# Allegro board Microroc_Hardroc2b_Test_Board.brd (continued)
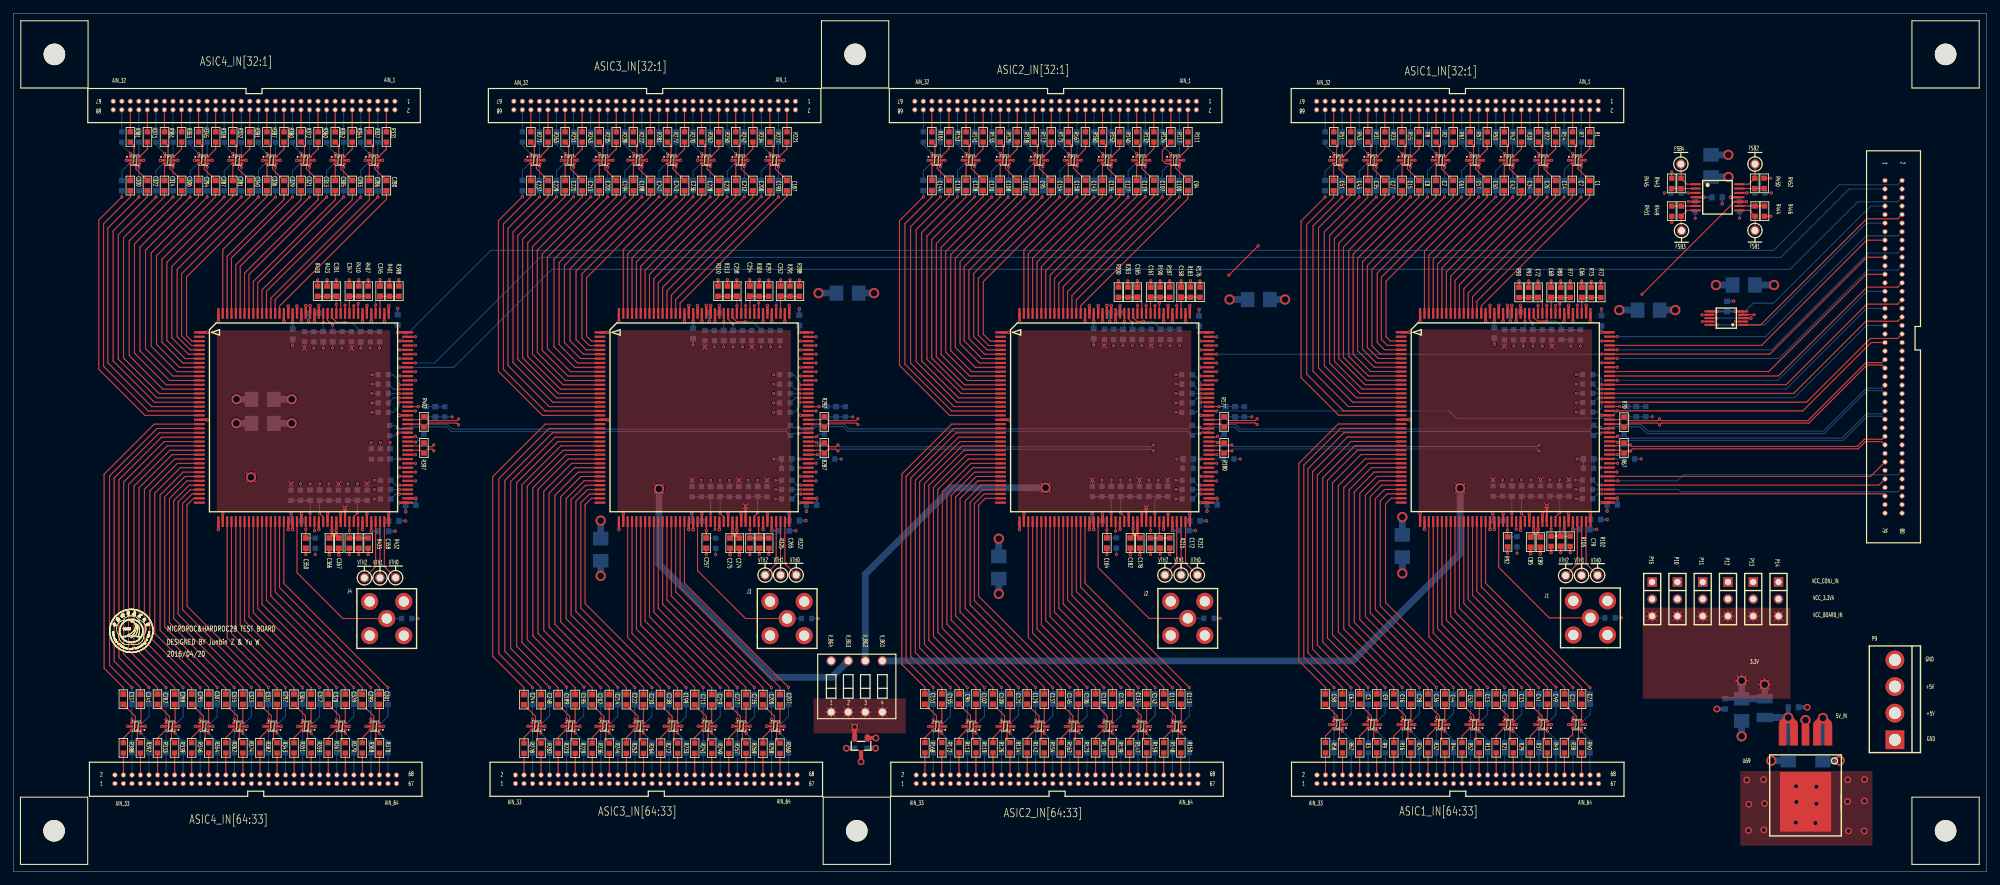
[diagram p0: board, top side]
## Nets (continued)
ESD_P12_ASIC3: C232.1 R266.2 U37.1(IO1)
ESD_P12_ASIC4: C325.1 R376.2 U54.1(IO1)
ESD_P13_ASIC1: C50.1 R50.2 U4.6(IO4)
ESD_P13_ASIC2: C143.1 R160.2 U21.6(IO4)
ESD_P13_ASIC3: C236.1 R270.2 U38.6(IO4)
ESD_P13_ASIC4: C329.1 R380.2 U55.6(IO4)
ESD_P14_ASIC1: C54.1 R54.2 U4.4(IO3)
ESD_P14_ASIC2: C147.1 R164.2 U21.4(IO3)
ESD_P14_ASIC3: C240.1 R274.2 U38.4(IO3)
ESD_P14_ASIC4: C333.1 R384.2 U55.4(IO3)
ESD_P15_ASIC1: C57.1 R57.2 U4.3(IO2)
ESD_P15_ASIC2: C150.1 R167.2 U21.3(IO2)
ESD_P15_ASIC3: C243.1 R277.2 U38.3(IO2)
ESD_P15_ASIC4: C336.1 R387.2 U55.3(IO2)
ESD_P16_ASIC1: C59.1 R59.2 U4.1(IO1)
ESD_P16_ASIC2: C152.1 R169.2 U21.1(IO1)
ESD_P16_ASIC3: C245.1 R279.2 U38.1(IO1)
ESD_P16_ASIC4: C338.1 R389.2 U55.1(IO1)
ESD_P17_ASIC1: C61.1 R61.2 U6.6(IO4)
ESD_P17_ASIC2: C154.1 R171.2 U22.6(IO4)
ESD_P17_ASIC3: C247.1 R281.2 U39.6(IO4)
ESD_P17_ASIC4: C340.1 R391.2 U56.6(IO4)
ESD_P18_ASIC1: C63.1 R63.2 U6.4(IO3)
ESD_P18_ASIC2: C156.1 R173.2 U22.4(IO3)
ESD_P18_ASIC3: C249.1 R283.2 U39.4(IO3)
ESD_P18_ASIC4: C342.1 R393.2 U56.4(IO3)
ESD_P19_ASIC1: C2.1 R2.2 U6.3(IO2)
ESD_P19_ASIC2: C95.1 R112.2 U22.3(IO2)
ESD_P19_ASIC3: C188.1 R222.2 U39.3(IO2)
ESD_P19_ASIC4: C281.1 R332.2 U56.3(IO2)
ESD_P20_ASIC1: C5.1 R5.2 U6.1(IO1)
ESD_P20_ASIC2: C98.1 R115.2 U22.1(IO1)
ESD_P20_ASIC3: C191.1 R225.2 U39.1(IO1)
ESD_P20_ASIC4: C284.1 R335.2 U56.1(IO1)
ESD_P21_ASIC1: C8.1 R8.2 U5.6(IO4)
ESD_P21_ASIC2: C101.1 R118.2 U24.6(IO4)
ESD_P21_ASIC3: C194.1 R228.2 U40.6(IO4)
ESD_P21_ASIC4: C287.1 R338.2 U57.6(IO4)
ESD_P22_ASIC1: C11.1 R11.2 U5.4(IO3)
ESD_P22_ASIC2: C104.1 R121.2 U24.4(IO3)
ESD_P22_ASIC3: C197.1 R231.2 U40.4(IO3)
ESD_P22_ASIC4: C290.1 R341.2 U57.4(IO3)
ESD_P23_ASIC1: C15.1 R15.2 U5.3(IO2)
ESD_P23_ASIC2: C108.1 R125.2 U24.3(IO2)
ESD_P23_ASIC3: C201.1 R235.2 U40.3(IO2)
ESD_P23_ASIC4: C294.1 R345.2 U57.3(IO2)
ESD_P24_ASIC1: C19.1 R19.2 U5.1(IO1)
ESD_P24_ASIC2: C116.1 R129.2 U24.1(IO1)
ESD_P24_ASIC3: C209.1 R239.2 U40.1(IO1)
ESD_P24_ASIC4: C298.1 R349.2 U57.1(IO1)
ESD_P25_ASIC1: C27.1 R23.2 U7.6(IO4)
ESD_P25_ASIC2: C120.1 R133.2 U25.6(IO4)
ESD_P25_ASIC3: C213.1 R243.2 U41.6(IO4)
ESD_P25_ASIC4: C306.1 R353.2 U58.6(IO4)
ESD_P26_ASIC1: C31.1 R27.2 U7.4(IO3)
ESD_P26_ASIC2: C124.1 R137.2 U25.4(IO3)
ESD_P26_ASIC3: C217.1 R247.2 U41.4(IO3)
ESD_P26_ASIC4: C310.1 R357.2 U58.4(IO3)
ESD_P27_ASIC1: C35.1 R31.2 U7.3(IO2)
ESD_P27_ASIC2: C128.1 R141.2 U25.3(IO2)
ESD_P27_ASIC3: C221.1 R251.2 U41.3(IO2)
ESD_P27_ASIC4: C314.1 R361.2 U58.3(IO2)
ESD_P28_ASIC1: C39.1 R35.2 U7.1(IO1)
ESD_P28_ASIC2: C132.1 R145.2 U25.1(IO1)
ESD_P28_ASIC3: C225.1 R255.2 U41.1(IO1)
ESD_P28_ASIC4: C318.1 R365.2 U58.1(IO1)
ESD_P29_ASIC1: C43.1 R43.2 U8.6(IO4)
ESD_P29_ASIC2: C136.1 R153.2 U23.6(IO4)
ESD_P29_ASIC3: C229.1 R263.2 U42.6(IO4)
ESD_P29_ASIC4: C322.1 R373.2 U59.6(IO4)
ESD_P30_ASIC1: C47.1 R47.2 U8.4(IO3)
ESD_P30_ASIC2: C140.1 R157.2 U23.4(IO3)
ESD_P30_ASIC3: C233.1 R267.2 U42.4(IO3)
ESD_P30_ASIC4: C326.1 R377.2 U59.4(IO3)
ESD_P31_ASIC1: C51.1 R51.2 U8.3(IO2)
ESD_P31_ASIC2: C144.1 R161.2 U23.3(IO2)
ESD_P31_ASIC3: C237.1 R271.2 U42.3(IO2)
ESD_P31_ASIC4: C330.1 R381.2 U59.3(IO2)
ESD_P32_ASIC1: C55.1 R55.2 U8.1(IO1)
ESD_P32_ASIC2: C148.1 R165.2 U23.1(IO1)
ESD_P32_ASIC3: C241.1 R275.2 U42.1(IO1)
ESD_P32_ASIC4: C334.1 R385.2 U59.1(IO1)
ESD_P33_ASIC1: C58.1 R58.2 U9.6(IO4)
ESD_P33_ASIC2: C151.1 R168.2 U26.6(IO4)
ESD_P33_ASIC3: C244.1 R278.2 U43.6(IO4)
ESD_P33_ASIC4: C337.1 R388.2 U60.6(IO4)
ESD_P34_ASIC1: C60.1 R60.2 U9.4(IO3)
ESD_P34_ASIC2: C153.1 R170.2 U26.4(IO3)
ESD_P34_ASIC3: C246.1 R280.2 U43.4(IO3)
ESD_P34_ASIC4: C339.1 R390.2 U60.4(IO3)
ESD_P35_ASIC1: C62.1 R62.2 U9.3(IO2)
ESD_P35_ASIC2: C155.1 R172.2 U26.3(IO2)
ESD_P35_ASIC3: C248.1 R282.2 U43.3(IO2)
ESD_P35_ASIC4: C341.1 R392.2 U60.3(IO2)
ESD_P36_ASIC1: C64.1 R64.2 U9.1(IO1)
ESD_P36_ASIC2: C157.1 R174.2 U26.1(IO1)
ESD_P36_ASIC3: C250.1 R284.2 U43.1(IO1)
ESD_P36_ASIC4: C343.1 R394.2 U60.1(IO1)
ESD_P37_ASIC1: C3.1 R3.2 U10.6(IO4)
ESD_P37_ASIC2: C96.1 R113.2 U27.6(IO4)
ESD_P37_ASIC3: C189.1 R223.2 U44.6(IO4)
ESD_P37_ASIC4: C282.1 R333.2 U61.6(IO4)
ESD_P38_ASIC1: C6.1 R6.2 U10.4(IO3)
ESD_P38_ASIC2: C99.1 R116.2 U27.4(IO3)
ESD_P38_ASIC3: C192.1 R226.2 U44.4(IO3)
ESD_P38_ASIC4: C285.1 R336.2 U61.4(IO3)
ESD_P39_ASIC1: C9.1 R9.2 U10.3(IO2)
ESD_P39_ASIC2: C102.1 R119.2 U27.3(IO2)
ESD_P39_ASIC3: C195.1 R229.2 U44.3(IO2)
ESD_P39_ASIC4: C288.1 R339.2 U61.3(IO2)
ESD_P40_ASIC1: C12.1 R12.2 U10.1(IO1)
ESD_P40_ASIC2: C105.1 R122.2 U27.1(IO1)
ESD_P40_ASIC3: C198.1 R232.2 U44.1(IO1)
ESD_P40_ASIC4: C291.1 R342.2 U61.1(IO1)
ESD_P41_ASIC1: C16.1 R16.2 U11.6(IO4)
ESD_P41_ASIC2: C109.1 R126.2 U28.6(IO4)
ESD_P41_ASIC3: C202.1 R236.2 U45.6(IO4)
ESD_P41_ASIC4: C295.1 R346.2 U62.6(IO4)
ESD_P42_ASIC1: C20.1 R20.2 U11.4(IO3)
ESD_P42_ASIC2: C117.1 R130.2 U28.4(IO3)
ESD_P42_ASIC3: C210.1 R240.2 U45.4(IO3)
ESD_P42_ASIC4: C303.1 R350.2 U62.4(IO3)
ESD_P43_ASIC1: C28.1 R24.2 U11.3(IO2)
ESD_P43_ASIC2: C121.1 R134.2 U28.3(IO2)
ESD_P43_ASIC3: C214.1 R244.2 U45.3(IO2)
ESD_P43_ASIC4: C307.1 R354.2 U62.3(IO2)
ESD_P44_ASIC1: C32.1 R28.2 U11.1(IO1)
ESD_P44_ASIC2: C125.1 R138.2 U28.1(IO1)
ESD_P44_ASIC3: C218.1 R248.2 U45.1(IO1)
ESD_P44_ASIC4: C311.1 R358.2 U62.1(IO1)
ESD_P45_ASIC1: C36.1 R32.2 U12.6(IO4)
ESD_P45_ASIC2: C129.1 R142.2 U29.6(IO4)
ESD_P45_ASIC3: C222.1 R252.2 U46.6(IO4)
ESD_P45_ASIC4: C315.1 R362.2 U63.6(IO4)
ESD_P46_ASIC1: C40.1 R36.2 U12.4(IO3)
ESD_P46_ASIC2: C133.1 R146.2 U29.4(IO3)
ESD_P46_ASIC3: C226.1 R256.2 U46.4(IO3)
ESD_P46_ASIC4: C319.1 R366.2 U63.4(IO3)
ESD_P47_ASIC1: C44.1 R44.2 U12.3(IO2)
ESD_P47_ASIC2: C137.1 R154.2 U29.3(IO2)
ESD_P47_ASIC3: C230.1 R264.2 U46.3(IO2)
ESD_P47_ASIC4: C323.1 R374.2 U63.3(IO2)
ESD_P48_ASIC1: C48.1 R48.2 U12.1(IO1)
ESD_P48_ASIC2: C141.1 R158.2 U29.1(IO1)
ESD_P48_ASIC3: C234.1 R268.2 U46.1(IO1)
ESD_P48_ASIC4: C327.1 R378.2 U63.1(IO1)
ESD_P49_ASIC1: C52.1 R52.2 U13.6(IO4)
ESD_P49_ASIC2: C145.1 R162.2 U30.6(IO4)
ESD_P49_ASIC3: C238.1 R272.2 U47.6(IO4)
ESD_P49_ASIC4: C331.1 R382.2 U64.6(IO4)
ESD_P50_ASIC1: C56.1 R56.2 U13.4(IO3)
ESD_P50_ASIC2: C149.1 R166.2 U30.4(IO3)
ESD_P50_ASIC3: C242.1 R276.2 U47.4(IO3)
ESD_P50_ASIC4: C335.1 R386.2 U64.4(IO3)
ESD_P51_ASIC1: C13.1 R13.2 U13.3(IO2)
ESD_P51_ASIC2: C106.1 R123.2 U30.3(IO2)
ESD_P51_ASIC3: C199.1 R233.2 U47.3(IO2)
ESD_P51_ASIC4: C292.1 R343.2 U64.3(IO2)
ESD_P52_ASIC1: C17.1 R17.2 U13.1(IO1)
ESD_P52_ASIC2: C110.1 R127.2 U30.1(IO1)
ESD_P52_ASIC3: C203.1 R237.2 U47.1(IO1)
ESD_P52_ASIC4: C296.1 R347.2 U64.1(IO1)
ESD_P53_ASIC1: C25.1 R21.2 U14.6(IO4)
ESD_P53_ASIC2: C118.1 R131.2 U31.6(IO4)
ESD_P53_ASIC3: C211.1 R241.2 U48.6(IO4)
ESD_P53_ASIC4: C304.1 R351.2 U65.6(IO4)
ESD_P54_ASIC1: C29.1 R25.2 U14.4(IO3)
ESD_P54_ASIC2: C122.1 R135.2 U31.4(IO3)
ESD_P54_ASIC3: C215.1 R245.2 U48.4(IO3)
ESD_P54_ASIC4: C308.1 R355.2 U65.4(IO3)
ESD_P55_ASIC1: C33.1 R29.2 U14.3(IO2)
ESD_P55_ASIC2: C126.1 R139.2 U31.3(IO2)
ESD_P55_ASIC3: C219.1 R249.2 U48.3(IO2)
ESD_P55_ASIC4: C312.1 R359.2 U65.3(IO2)
ESD_P56_ASIC1: C37.1 R33.2 U14.1(IO1)
ESD_P56_ASIC2: C130.1 R143.2 U31.1(IO1)
ESD_P56_ASIC3: C223.1 R253.2 U48.1(IO1)
ESD_P56_ASIC4: C316.1 R363.2 U65.1(IO1)
ESD_P57_ASIC1: C41.1 R37.2 U15.6(IO4)
ESD_P57_ASIC2: C134.1 R147.2 U32.6(IO4)
ESD_P57_ASIC3: C227.1 R257.2 U49.6(IO4)
ESD_P57_ASIC4: C320.1 R367.2 U66.6(IO4)
ESD_P58_ASIC1: C45.1 R45.2 U15.4(IO3)
ESD_P58_ASIC2: C138.1 R155.2 U32.4(IO3)
ESD_P58_ASIC3: C231.1 R265.2 U49.4(IO3)
ESD_P58_ASIC4: C324.1 R375.2 U66.4(IO3)
ESD_P59_ASIC1: C49.1 R49.2 U15.3(IO2)
ESD_P59_ASIC2: C142.1 R159.2 U32.3(IO2)
ESD_P59_ASIC3: C235.1 R269.2 U49.3(IO2)
ESD_P59_ASIC4: C328.1 R379.2 U66.3(IO2)
ESD_P60_ASIC1: C53.1 R53.2 U15.1(IO1)
ESD_P60_ASIC2: C146.1 R163.2 U32.1(IO1)
ESD_P60_ASIC3: C239.1 R273.2 U49.1(IO1)
ESD_P60_ASIC4: C332.1 R383.2 U66.1(IO1)
ESD_P61_ASIC1: C21.1 R38.2 U16.6(IO4)
ESD_P61_ASIC2: C111.1 R148.2 U33.6(IO4)
ESD_P61_ASIC3: C205.1 R258.2 U50.6(IO4)
ESD_P61_ASIC4: C299.1 R368.2 U67.6(IO4)
ESD_P62_ASIC1: C22.1 R39.2 U16.4(IO3)
ESD_P62_ASIC2: C112.1 R149.2 U33.4(IO3)
ESD_P62_ASIC3: C206.1 R259.2 U50.4(IO3)
ESD_P62_ASIC4: C300.1 R369.2 U67.4(IO3)
ESD_P63_ASIC1: C23.1 R40.2 U16.3(IO2)
ESD_P63_ASIC2: C113.1 R150.2 U33.3(IO2)
ESD_P63_ASIC3: C207.1 R260.2 U50.3(IO2)
ESD_P63_ASIC4: C301.1 R370.2 U67.3(IO2)
ESD_P64_ASIC1: C24.1 R41.2 U16.1(IO1)
ESD_P64_ASIC2: C114.1 R151.2 U33.1(IO1)
ESD_P64_ASIC3: C208.1 R261.2 U50.1(IO1)
ESD_P64_ASIC4: C302.1 R371.2 U67.1(IO1)
HOLD: U17.119(SR_LOAD) U34.119(SR_LOAD) U51.119(SR_LOAD) U68.119(SR_LOAD) U71.14
HOLDB: U17.63(HOLDB) U34.63(HOLDB) U51.63(HOLDB) U68.63(HOLDB) U71.78
IB_OTAG_ASIC1: C68.2 R77.2 R80.1 U17.130(IB_OTAQ)
IB_OTAG_ASIC2: C161.2 R187.2 R190.1 U34.130(IB_OTAQ)
IB_OTAG_ASIC3: C254.2 R297.2 R300.1 U51.130(IB_OTAQ)
IB_OTAG_ASIC4: C347.2 R407.2 R410.1 U68.130(IB_OTAQ)
IB_REC_ASIC1: C65.2 R65.2 R66.1 U17.91(IB_REC)
IB_REC_ASIC2: C159.2 R175.2 R179.1 U34.91(IB_REC)
IB_REC_ASIC3: C251.2 R285.2 R286.1 U51.91(IB_REC)
IB_REC_ASIC4: C344.2 R395.2 R396.1 U68.91(IB_REC)
IB_W_ASIC1: C77.2 R96.2 R100.1 U17.133(IB_W)
IB_W_ASIC2: C169.2 R206.2 R210.1 U34.133(IB_W)
IB_W_ASIC3: C262.2 R316.2 R320.1 U51.133(IB_W)
IB_W_ASIC4: C354.2 R426.2 R429.1 U68.133(IB_W)
IBI_D_ASIC1: C67.2 R71.2 R75.1 U17.124(IBI_D)
IBI_D_ASIC2: C160.2 R178.2 R185.1 U34.124(IBI_D)
IBI_D_ASIC3: C253.2 R294.2 R295.1 U51.124(IBI_D)
IBI_D_ASIC4: C346.2 R404.2 R405.1 U68.124(IBI_D)
IBI_FSB_ASIC1: C72.2 R90.2 R93.1 U17.132(IBI_FSB)
IBI_FSB_ASIC2: C165.2 R200.2 R203.1 U34.132(IBI_FSB)
IBI_FSB_ASIC3: C258.2 R310.2 R313.1 U51.132(IBI_FSB)
IBI_FSB_ASIC4: C351.2 R420.2 R423.1 U68.132(IBI_FSB)
IBI_OTABG_ASIC1: C79.2 R102.2 R105.1 U17.73(IBI_OTABG)
IBI_OTABG_ASIC2: C172.2 R212.2 R215.1 U34.73(IBI_OTABG)
IBI_OTABG_ASIC3: C265.2 R322.2 R325.1 U51.73(IBI_OTABG)
IBI_OTABG_ASIC4: C358.2 R432.2 R435.1 U68.73(IBI_OTABG)
IBI_OTADAC_ASIC1: C76.2 R95.2 R99.1 U17.71(IBI_OTADAC)
IBI_OTADAC_ASIC2: C168.2 R205.2 R208.1 U34.71(IBI_OTADAC)
IBI_OTADAC_ASIC3: C263.2 R315.2 R319.1 U51.71(IBI_OTADAC)
IBI_OTADAC_ASIC4: C356.2 R425.2 R428.1 U68.71(IBI_OTADAC)
IBI_PA_ASIC1: C80.2 R103.2 R106.1 U17.134(IBI_PA)
IBI_PA_ASIC2: C173.2 R213.2 R216.1 U34.134(IBI_PA)
IBI_PA_ASIC3: C266.2 R323.2 R326.1 U51.134(IBI_PA)
IBI_PA_ASIC4: C359.2 R433.2 R436.1 U68.134(IBI_PA)
IBO_D_ASIC1: C66.2 R72.2 R73.1 U17.123(IBO_D)
IBO_D_ASIC2: C158.2 R176.2 R183.1 U34.123(IBO_D)
IBO_D_ASIC3: C252.2 R288.2 R291.1 U51.123(IBO_D)
IBO_D_ASIC4: C345.2 R398.2 R401.1 U68.123(IBO_D)
IBO_FSB_ASIC1: C69.2 R82.2 R85.1 U17.131(IBO_FSB)
IBO_FSB_ASIC2: C162.2 R192.2 R195.1 U34.131(IBO_FSB)
IBO_FSB_ASIC3: C255.2 R302.2 R305.1 U51.131(IBO_FSB)
IBO_FSB_ASIC4: C348.2 R412.2 R415.1 U68.131(IBO_FSB)
IREF_DAC_ASIC1: C93.2 R109.2 R110.1 U17.72(IREF_DAC)
IREF_DAC_ASIC2: C186.2 R219.2 R220.1 U34.72(IREF_DAC)
IREF_DAC_ASIC3: C279.2 R329.2 R330.1 U51.72(IREF_DAC)
IREF_DAC_ASIC4: C372.2 R439.2 R440.1 U68.72(IREF_DAC)
N117243_ASIC1: C73.1 C74.1 R98.2 U17.103(RTN)
N117243_ASIC2: C166.1 C170.1 R209.2 U34.103(RTN)
N117243_ASIC3: C259.1 C260.1 R318.2 U51.103(RTN)
N117243_ASIC4: C352.1 C355.1 R430.2 U68.103(RTN)
N119966_ASIC1: J1.1 R74.2 U17.59(CTEST)
N119966_ASIC2: J2.1 R184.2 U34.59(CTEST)
N119966_ASIC3: J3.1 R293.2 U51.59(CTEST)
N119966_ASIC4: J4.1 R403.2 U68.59(CTEST)
OUT_FSB1: R442.2 U17.128(OUT_FSB) U73.10(+IN)
OUT_FSB2: R448.2 U34.128(OUT_FSB) U73.12(+IN)
OUT_FSB3: R447.2 U51.128(OUT_FSB) U73.5(+IN)
OUT_FSB4: R441.2 U68.128(OUT_FSB) U73.3(+IN)
OUT_Q: U71.7 U72.8(D)
OUT_Q1: U17.129(OUT_Q) U72.2(S1)
OUT_Q2: U34.129(OUT_Q) U72.9(S2)
OUT_Q3: U51.129(OUT_Q) U72.4(S3)
OUT_Q4: U68.129(OUT_Q) U72.7(S4)
OUT_TRIG0B: R79.2 R189.2 R299.2 R409.2 U17.85(OUT_TRIG0B) U34.85(OUT_TRIG0B) U51.85(OUT_TRIG0B) U68.85(OUT_TRIG0B) U71.71
OUT_TRIG1B: R78.1 R188.1 R298.1 R408.1 U17.84(OUT_TRIG1B) U34.84(OUT_TRIG1B) U51.84(OUT_TRIG1B) U68.84(OUT_TRIG1B) U71.74
OUT_TRIG2B: R76.2 R186.2 R296.2 R406.2 U17.83(OUT_TRIG2B) U34.83(OUT_TRIG2B) U51.83(OUT_TRIG2B) U68.83(OUT_TRIG2B) U71.75
PWR_ON_A: U17.89(PWR_ON_A) U34.89(PWR_ON_A) U51.89(PWR_ON_A) U68.89(PWR_ON_A) U71.60
PWR_ON_ADC: U17.88(PWR_ON_ADC) U34.88(PWR_ON_ADC) U51.88(PWR_ON_ADC) U68.88(PWR_ON_ADC) U71.66
PWR_ON_D: U17.90(PWR_ON_D) U34.90(PWR_ON_D) U51.90(PWR_ON_D) U68.90(PWR_ON_D) U71.54
PWR_ON_DAC: U17.87(PWR_ON_DAC) U34.87(PWR_ON_DAC) U51.87(PWR_ON_DAC) U68.87(PWR_ON_DAC) U71.67
RAZ_CHNN: R68.2 R181.2 R289.2 R399.2 U17.96(RAZ_CHNN) U34.96(RAZ_CHNN) U51.96(RAZ_CHNN) U68.96(RAZ_CHNN) U71.55
RAZ_CHNP: R68.1 R181.1 R289.1 R399.1 U17.95(RAZ_CHNP) U34.95(RAZ_CHNP) U51.95(RAZ_CHNP) U68.95(RAZ_CHNP) U71.57
REF_2.5V: C379.1 SW1.1(A1) SW1.2(A2) SW1.3(A3) SW1.4(A4) U70.2(OUT)
RESET_B: U17.102(RESETB) U34.102(RESETB) U51.102(RESETB) U68.102(RESETB) U71.39
RST_COUNTERB: U17.109(RST_COUNTERB) U34.109(RST_COUNTERB) U51.109(RST_COUNTERB) U68.109(RST_COUNTERB) U71.27
SELECT: U17.114(SELECT) U34.114(SELECT) U51.114(SELECT) U68.114(SELECT) U71.22
SR_CK: U17.116(SR_CK) U34.116(SR_CK) U51.116(SR_CK) U68.116(SR_CK) U71.18
SR_IN: U17.117(SR_IN) U71.15
SR_OUT: U68.118(SR_OUT) U71.2
SR_RSTB: U17.115(SR_RSTB) U34.115(SR_RSTB) U51.115(SR_RSTB) U68.115(SR_RSTB) U71.19
START_ACQ: U17.92(START_ACQ) U34.92(START_ACQ) U51.92(START_ACQ) U68.92(START_ACQ) U71.48
START_READOUT1: U17.110(START_READOUT1) U71.26
START_READOUT2: U17.111(START_READOUT2) U71.23
TRANSMITON1B: R83.2 R193.2 R303.2 R413.2 U17.106(TRANSMITON1B) U34.106(TRANSMITON1B) U51.106(TRANSMITON1B) U68.106(TRANSMITON1B) U71.34
TRANSMITON2B: R84.2 R194.2 R304.2 R414.2 U17.107(TRANSMITON2B) U34.107(TRANSMITON2B) U51.107(TRANSMITON2B) U68.107(TRANSMITON2B) U71.31
TRIG_EXT: U17.86(TRIG_EXT) U34.86(TRIG_EXT) U51.86(TRIG_EXT) U68.86(TRIG_EXT) U71.70
V_BG1: R88.1 R94.1 R101.1 R107.1 R109.1 SW1.5(B4) U17.70(V_BG)
V_BG2: R198.1 R204.1 R211.1 R217.1 R219.1 SW1.6(B3) U34.70(V_BG)
V_BG3: R308.1 R314.1 R321.1 R327.1 R329.1 SW1.7(B2) U51.70(V_BG)
V_BG4: R418.1 R424.1 R431.1 R437.1 R439.1 SW1.8(B1) U68.70(V_BG)
VAL_EVTN: R67.2 R180.2 R287.2 R397.2 U17.94(VAL_EVTN) U34.94(VAL_EVTN) U51.94(VAL_EVTN) U68.94(VAL_EVTN) U71.61
VAL_EVTP: R67.1 R180.1 R287.1 R397.1 U17.93(VAL_EVTP) U34.93(VAL_EVTP) U51.93(VAL_EVTP) U68.93(VAL_EVTP) U71.63
VCASC_NMOS_ASIC1: C81.2 R107.2 R108.1 U17.65(VCASC_NMOS)
VCASC_NMOS_ASIC2: C183.2 R217.2 R218.1 U34.65(VCASC_NMOS)
VCASC_NMOS_ASIC3: C276.2 R327.2 R328.1 U51.65(VCASC_NMOS)
VCASC_NMOS_ASIC4: C369.2 R437.2 R438.1 U68.65(VCASC_NMOS)
VCASC_PMOS_ASIC1: C78.2 R101.2 R104.1 U17.62(VCASC_PMOS)
VCASC_PMOS_ASIC2: C171.2 R211.2 R214.1 U34.62(VCASC_PMOS)
VCASC_PMOS_ASIC3: C264.2 R321.2 R324.1 U51.62(VCASC_PMOS)
VCASC_PMOS_ASIC4: C357.2 R431.2 R434.1 U68.62(VCASC_PMOS)
VGAIN_PA_ASIC1: C71.2 R89.2 R92.1 U17.61(VGAIN_PA)
VGAIN_PA_ASIC2: C164.2 R199.2 R202.1 U34.61(VGAIN_PA)
VGAIN_PA_ASIC3: C257.2 R309.2 R312.1 U51.61(VGAIN_PA)
VGAIN_PA_ASIC4: C350.2 R419.2 R422.1 U68.61(VGAIN_PA)
VREF_FSB_ASIC1: C75.2 R94.2 R97.1 U17.136(VREF_FSB)
VREF_FSB_ASIC2: C167.2 R204.2 R207.1 U34.136(VREF_FSB)
VREF_FSB_ASIC3: C261.2 R314.2 R317.1 U51.136(VREF_FSB)
VREF_FSB_ASIC4: C353.2 R424.2 R427.1 U68.136(VREF_FSB)
VREF_SS_ASIC1: C70.2 R88.2 R91.1 U17.135(VREF_SS)
VREF_SS_ASIC2: C163.2 R198.2 R201.1 U34.135(VREF_SS)
VREF_SS_ASIC3: C256.2 R308.2 R311.1 U51.135(VREF_SS)
VREF_SS_ASIC4: C349.2 R418.2 R421.1 U68.135(VREF_SS)
VTH0_ASIC1: TP1.1(TP) U17.79(VTH0)
VTH0_ASIC2: TP4.1(TP) U34.79(VTH0)
VTH0_ASIC3: TP7.1(TP) U51.79(VTH0)
VTH0_ASIC4: TP10.1(TP) U68.79(VTH0)
VTH1_ASIC1: TP2.1(TP) U17.78(VTH1)
VTH1_ASIC2: TP5.1(TP) U34.78(VTH1)
VTH1_ASIC3: TP8.1(TP) U51.78(VTH1)
VTH1_ASIC4: TP11.1(TP) U68.78(VTH1)
VTH2_ASIC1: TP3.1(TP) U17.77(VTH2)
VTH2_ASIC2: TP6.1(TP) U34.77(VTH2)
VTH2_ASIC3: TP9.1(TP) U51.77(VTH2)
VTH2_ASIC4: TP12.1(TP) U68.77(VTH2)
N03951: U17.112(END_READOUT1) U34.110(START_READOUT1)
N03955: U17.113(END_READOUT2) U34.111(START_READOUT2)
N03959: U17.118(SR_OUT) U34.117(SR_IN)
N03963: U34.112(END_READOUT1) U51.110(START_READOUT1)
N03967: U34.113(END_READOUT2) U51.111(START_READOUT2)
N03971: U34.118(SR_OUT) U51.117(SR_IN)
N03975: U51.112(END_READOUT1) U68.110(START_READOUT1)
N03979: U51.113(END_READOUT2) U68.111(START_READOUT2)
N03983: U51.118(SR_OUT) U68.117(SR_IN)
N167125: R443.1 R445.2 U73.2(-IN)
N167454: R443.2 TP13.1(TP) U73.1(OUT)
N167612: R449.1 R451.2 U73.6(-IN)
N167619: R449.2 TP15.1(TP) U73.7(OUT)
N167779: R444.1 R446.2 U73.9(-IN)
N167786: R444.2 TP14.1(TP) U73.8(OUT)
N167942: R450.1 R452.2 U73.13(-IN)
N167949: R450.2 TP16.1(TP) U73.14(OUT)
N175517: C374.1 C376.1 L1.1 U69.4(OUT) U69.5(SENSE/ADJ)

Pads without a net: U17 2 40; U34 2 40; U51 2 40; U68 2 40

## Via types
v1: diameter 0.457, hole 0.203, TOP to BOTTOM, 725 vias
v2: diameter 0.508, hole 0.254, TOP to BOTTOM, 244 vias
v3: diameter 1.524, hole 1.016, TOP to BOTTOM, 32 vias
v4: diameter 1.016, hole 0.61, TOP to BOTTOM, 25 vias

## Routing (per net, layer and track width the routed paths; a pad name or vN(x,y) marks a point on that pad's centre or on a via; arc(x,y) is an arc through that point)
5V_IN: length 8.9
  TOP w1.016: U69.1 270.08,22.04 v3(269.27,22.86) 268.38,21.98 U69.2
  BOTTOM w1.016: v3(269.27,22.86) C373.1
GND: length 390.4
  TOP w0.152: R451.1 v1(246.79,96.62) ; R203.2 v1(165.84,87.96) ; R452.1 v1(261.49,103.23) ; v1(228.83,47.47) 228.83,47.5 228.83,47.5 R105.2 ; C347.1 v1(49.99,88.11) ; U37.2 v2(101.82,105.9) ; R325.2 v1(109.6,47.19) ; C258.1 v1(107.65,88.11) ; R190.2 v1(170.65,87.95) ; R446.1 v1(261.52,97.56) ; C72.1 226.89,87.93 v1(226.88,87.93) ; v1(43.51,47.19) C350.1 ; v1(115.57,88.11) R291.2 ; R73.2 v1(234.8,87.88) ; C257.1 v1(103.1,47.22) ; C66.1 233.38,87 v1(233.38,87.91) ; C79.1 230.25,48.41 v1(230.25,47.47) ; C161.1 169.24,87.03 v1(169.24,87.96) ; R401.2 v1(55.96,88.11) ; C265.1 111,48.12 v1(111,47.22) ; C252.1 v1(114.16,88.1) ; v1(106.25,88.11) R313.2 ; R435.2 v1(49.99,47.19) ; C158.1 173.76,87.03 v1(173.76,87.96) ; v1(109.58,88.11) 109.58,87.19 C254.1 ; v1(162.72,47.2) C164.1 ; v1(51.38,47.19) C358.1 ; R423.2 v1(46.66,88.11) ; R300.2 v1(111,88.11) ; v1(51.38,88.11) R410.2 ; C68.1 v1(228.82,87.93) ; R80.2 v1(230.25,87.93) ; R445.1 v1(246.76,104.17) ; v1(54.56,88.11) C345.1 ; R183.2 v1(175.16,87.96) ; v1(48.06,88.11) C351.1 ; v1(169.21,47.22) R215.2 ; C172.1 v1(170.65,47.24) ; v1(167.26,87.96) 167.26,87.03 C165.1 ; R93.2 v1(225.48,87.93) ; v1(222.34,47.4) 222.35,47.41 R92.2
  TOP w0.305: U61.2 v2(24.66,21.61) ; U5.2 v1(206.04,105.9) ; U65.2 v2(44.91,21.61) ; U16.2 v1(233.96,21.89) ; U63.2 v2(34.75,21.61) ; U73.11 v2(255.51,100.39) ; U35.2 v2(112,105.9) ; U33.2 v1(174.37,21.61) ; U22.2 v1(151.31,105.9) ; U55.2 v2(37.08,105.89) ; U11.2 v1(208.56,21.89) ; U46.2 v2(94.44,21.63) ; U3.2 v1(221.26,105.9) ; U10.2 v1(203.48,21.89) ; U29.2 v1(154,21.61) ; U24.2 v1(146.25,105.9) ; U15.2 v1(228.88,21.89) ; U38.2 v2(96.69,105.9) ; U4.2 v1(216.2,105.89) ; U26.2 v1(138.73,21.61) ; U56.2 v2(32.03,105.89) ; U19.2 v1(166.55,105.9) ; U9.2 v1(198.37,21.89) ; U13.2 v1(218.69,21.89) ; U54.2 v2(42.16,105.89) ; U32.2 v1(169.21,21.61) ; U47.2 v2(99.44,21.63) ; U66.2 v2(49.99,21.61) ; U49.2 v2(109.63,21.63) ; U67.2 v2(55.07,21.61) ; U23.2 v1(136.09,105.9) ; U59.2 v2(16.79,105.89) ; U6.2 v1(211.12,105.9) ; U1.2 v1(231.39,105.9) ; U40.2 v2(86.45,105.9) ; U41.2 v2(81.55,105.9) ; U45.2 v2(89.28,21.63) ; U8.2 v1(195.86,105.9) ; U42.2 v2(76.24,105.9) ; U20.2 v1(161.47,105.9) ; U31.2 v1(164.13,21.61) ; U72.3 v2(258.55,82.4) ; U21.2 v1(156.39,105.9) ; U30.2 v1(159.05,21.61) ; U25.2 v1(141.17,105.9) ; U62.2 v2(29.67,21.61) ; U58.2 v2(21.87,105.89) ; U36.2 v2(106.95,105.9) ; U52.2 v2(52.35,105.89) ; U53.2 v2(47.27,105.89) ; U50.2 v2(114.68,21.63) ; U64.2 v2(39.83,21.61) ; U44.2 v2(84.3,21.63) ; U60.2 v2(19.58,21.61) ; U7.2 v1(200.94,105.9) ; U12.2 v1(213.61,21.89) ; U2.2 v1(226.36,105.9) ; U57.2 v2(26.95,105.89) ; U18.2 v1(171.6,105.9) ; U48.2 v2(104.52,21.63) ; U14.2 v1(223.69,21.89) ; U39.2 v2(91.42,105.9) ; U28.2 v1(148.89,21.61) ; U43.2 v2(79.08,21.63) ; U27.2 v1(143.81,21.61)
  TOP w0.33: U34.142 v2(161.42,84.28) ; U68.126 v2(52.6,84.27) ; U34.121 v2(175.07,84.28) ; U68.144 v2(40.9,84.2) ; U34.41 v2(149.72,50.92) ; U68.101 v2(57.49,67.92) ; U68.64 v2(45.45,50.92) ; U68.66 v2(46.75,53.28) ; U17.66 v2(225.58,53.3) ; U17.41 v2(209.33,53.3) ; U17.125 v2(232.08,81.93) ; U17.57 v2(219.73,50.93) ; U68.57 v2(40.9,50.92) ; U34.81 v2(176.68,54.92) ; U68.127 v2(51.95,81.92) ; U17.160 v2(209.33,81.93) ; C275.2 v2(106.64,47.16) ; U51.1 v2(88.46,80.27) ; C178.2 v2(167.61,47.19) ; U68.69 v2(48.7,53.28) ; U34.141 v2(162.07,81.92) ; U68.42 v2(31.15,53.28) ; U51.57 v2(100.5,50.92) ; U51.58 v2(101.15,50.92) ; U34.125 v2(172.47,81.92) ; U51.160 v2(90.1,81.92) ; U68.141 v2(42.85,82.1) ; U34.64 v2(164.67,50.92) ; U68.21 v2(28.85,67.27) ; U34.139 v2(163.37,84.28) ; U34.66 v1(165.97,53.25) ; U17.126 v2(231.43,84.3) ; U68.145 v2(40.25,81.95) ; U51.121 v2(115.45,84.28) ; U51.140 v2(103.1,84.28) ; U17.145 v2(219.08,81.93) ; U51.69 v2(108.3,53.28) ; U51.75 v2(112.2,53.28) ; U51.41 v2(90.1,50.92) ; U17.144 v2(219.73,84.3) ; U68.1 v2(28.85,80.27) ; U51.126 v2(112.2,84.28) ; U17.121 v2(234.68,81.93) ; C182.2 v2(166.22,47.19) ; U68.142 v2(42.2,84.19) ; U17.81 v2(236.19,54.94) ; U51.145 v2(99.85,81.92) ; U68.139 v2(44.15,84.25) ; U17.101 v2(236.32,67.94) ; U68.74 v2(51.95,50.92) ; U51.142 v2(101.8,84.28) ; U34.21 v2(148.07,67.27) ; U34.58 v2(160.77,50.92) ; U51.21 v2(88.43,67.27) ; U34.144 v2(160.12,84.28) ; U17.58 v2(220.38,50.93) ; U68.81 v2(57.4,54.92) ; U17.74 v2(230.78,50.93) ; U51.64 v2(105.05,50.9) ; U68.58 v2(41.55,50.92) ; U17.42 v2(209.98,50.93) ; U17.21 v2(207.68,67.29) ; U51.42 v2(90.75,53.28) ; U34.160 v2(149.72,81.92) ; U17.141 v2(221.68,81.93) ; U51.138 v2(104.4,81.92) ; U17.142 v2(221.03,84.3) ; U51.101 v2(117.1,67.92) ; C367.2 v2(48.41,47.17) ; U51.127 v2(111.55,81.92) ; v2(207.68,80.29) U17.1 ; U51.144 v2(100.5,84.28) ; U68.138 v2(44.8,81.98) ; U34.75 v1(171.82,53.25) ; U51.74 v2(111.55,50.92) ; U17.140 v2(222.33,84.3) ; U34.57 v2(160.12,50.92) ; C89.2 v2(227.23,47.32) ; U51.81 v2(117.02,54.92) ; U34.122 v2(174.42,81.92) ; U34.101 v2(176.71,67.92) ; U68.41 v2(30.5,50.92) ; U68.122 v2(55.2,81.92) ; U17.122 v2(234.03,84.3) ; U34.69 v1(167.92,53.25) ; U17.64 v2(224.28,50.83) ; U34.74 v1(171.17,50.94) ; U17.69 v2(227.53,53.3) ; U68.75 v2(52.6,53.28) ; U51.122 v2(114.8,81.92) ; C366.2 v2(47.02,47.17) ; U17.75 v2(231.43,53.3) ; U68.160 v2(30.5,81.92) ; U34.126 v2(171.82,84.28) ; U51.141 v2(102.45,81.92) ; U68.125 v2(53.25,81.92) ; U34.145 v2(159.47,81.92) ; U34.138 v2(164.02,81.92) ; U34.42 v2(150.37,53.28) ; U68.121 v2(55.85,84.27) ; U17.127 v2(230.78,81.93) ; U51.139 v2(103.75,84.28) ; U34.1 v2(148.07,80.27) ; U17.138 v2(223.63,81.93) ; C274.2 v2(108.03,47.14) ; U51.125 v2(112.85,81.92) ; U17.139 v2(222.98,84.3) ; C85.2 v2(225.78,47.32) ; U34.127 v2(171.17,81.92) ; U34.140 v2(162.72,84.28) ; U51.66 v2(106.35,53.28) ; U68.140 v2(43.5,84.26)
  TOP w0.61: U70.3 v4(126.13,16.35)
  TOP w1.016: U69.3 v3(266.68,22.55)
  BOTTOM w0.152: C264.1 v1(103.76,58.27) ; R208.2 170.65,48.15 v1(170.65,47.24) ; R313.2 v1(106.25,88.11) ; R214.2 v1(161.98,58.29) ; v1(65.28,67.69) R430.1 C352.2 C355.2 ; C70.1 v1(226.1,78.23) ; C369.1 v1(45.57,57.73) ; C358.1 v1(51.38,47.19) ; C71.1 v1(222.34,47.4) ; C349.1 v1(47.5,77.93) ; v1(105.18,58.27) 105.16,58.24 C276.1 ; C77.1 v1(226.88,87.93) ; R97.2 v1(223.27,78.23) ; R293.1 v1(119.76,37.67) ; C160.1 v1(173.76,87.96) ; R66.2 C65.1 v1(232.69,61.43) ; C80.1 R106.2 v1(231.78,78.23) ; C255.1 v1(109.58,88.11) ; R207.2 v1(163.73,78.28) ; R427.2 v1(44.7,77.93) ; v1(228.82,87.93) 228.83,87.93 C69.1 ; R324.2 v1(102.36,58.27) ; R179.2 C159.1 v1(173.1,61.42) ; R104.2 v1(221.59,58.34) ; C266.1 v1(111.28,78.11) ; v1(113.16,61.42) C251.1 R286.2 ; R311.2 v1(108.48,78.11) ; v1(111,88.11) R300.2 ; v1(175.16,87.96) R183.2 ; R93.2 v1(225.48,87.93) ; C169.1 v1(167.26,87.96) ; R436.2 v1(53.09,77.93) ; C75.1 v1(224.68,78.23) ; R330.2 v1(109.35,58.27) ; v1(234.8,87.88) R73.2 ; v1(107.65,88.11) C258.1 ; C256.1 v1(107.09,78.11) ; v1(114.16,88.1) 114.16,87.19 C253.1 ; v1(55.96,88.11) R401.2 ; C186.1 v1(168.96,58.29) ; C163.1 v1(166.52,78.28) ; R108.2 v1(225.83,58.34) ; C78.1 v1(222.99,58.34) ; R440.2 v1(49.76,57.73) ; R216.2 v1(172.11,78.28) ; v1(170.65,87.95) 170.65,87.03 R195.2 ; C357.1 v1(44.15,57.73) ; C67.1 v1(233.38,87.91) ; R421.2 v1(48.89,77.93) ; C171.1 v1(163.37,58.29) ; C372.1 v1(51.18,57.73) ; v1(49.99,47.19) R435.2 ; R442.1 v1(256.87,97.28) ; C167.1 v1(165.13,78.28) ; C260.2 C259.2 R318.1 v1(124.89,67.69) ; R326.2 v1(112.67,78.11) ; R317.2 v1(104.29,78.11) ; v1(109.6,47.19) R325.2 ; C76.1 v1(230.25,47.47) ; C173.1 v1(170.71,78.28) ; R91.2 v1(227.51,78.23) ; v1(184.28,67.69) R209.1 C170.2 C166.2 ; v1(230.25,87.93) 230.25,87.93 R85.2 ; v1(165.84,87.96) R203.2 ; R74.1 v1(239.27,37.77) ; C350.1 v1(43.51,47.19) ; C351.1 v1(48.06,88.11) ; R403.1 v1(60.22,37.67) ; C345.1 v1(54.56,88.11) ; v1(162.72,47.2) 162.72,48.15 R202.2 ; C344.1 v1(56.03,63.88) ; R447.1 v1(250.27,97.26) ; C353.1 v1(46.1,77.93) ; R434.2 v1(42.72,57.73) ; C81.1 v1(224.41,58.34) ; R319.2 v1(111,47.22) ; R201.2 v1(167.92,78.28) ; R215.2 v1(169.21,47.22) ; R291.2 v1(115.57,88.11) ; C359.1 v1(51.69,77.93) ; v1(46.66,88.11) R423.2 ; v1(103.1,47.22) C257.1 ; C183.1 v1(164.77,58.29) ; R441.1 v1(245.69,101.04) ; R110.2 v1(228.65,58.34) ; R396.2 v1(54.64,63.88) ; C93.1 v1(230.06,58.34) ; R410.2 v1(51.38,88.11) ; C73.2 C74.2 R98.1 v1(243.89,67.72) ; R218.2 v1(166.17,58.29) ; C279.1 v1(110.74,58.27) ; R438.2 v1(46.96,57.73) ; R99.2 v1(228.83,47.47) ; R184.1 v1(179.58,37.69) ; R448.1 v1(261.59,101.04) ; C261.1 v1(105.69,78.11) ; R220.2 v1(170.36,58.29) ; C162.1 v1(169.24,87.96) ; v1(49.99,88.11) C347.1 ; R328.2 v1(106.55,58.27)
  BOTTOM w0.305: C380.2 v2(255.98,84.91) ; C382.2 v2(254.28,99.42)
  BOTTOM w0.33: C87.2 v2(220.38,78.49) ; C177.2 v2(175.89,50.77) ; C181.2 v2(163.14,81.92) ; C368.2 v2(41.33,53.27) ; C271.2 v2(117.93,52.25) ; C86.2 v2(236.32,83.74) ; C88.2 v2(237.16,53.67) ; C272.2 v2(118.01,53.62) ; C364.2 v2(58.37,53.57) ; C180.2 v2(160.53,53.27) ; C270.2 v2(116.43,50.75) ; C363.2 v2(56.79,50.67) ; C174.2 v2(160.76,78.38) ; C362.2 v2(57.18,83.85) ; C90.2 v2(235.59,50.94) ; C360.2 v2(43.92,81.99) ; C268.2 v2(101.14,78.38) ; C273.2 v2(100.94,53.28) ; C267.2 v2(103.56,81.92) ; C84.2 v2(220.14,53.29) ; C361.2 v2(41.55,78.31) ; C83.2 v2(237.16,52.4) ; C269.2 v2(116.94,83.79) ; C176.2 v2(177.55,52.22) ; C365.2 v2(58.34,52.2) ; C175.2 v2(176.43,83.69) ; C179.2 v2(177.62,53.64) ; C82.2 v2(222.76,81.94)
  BOTTOM w0.61: C379.2 v4(123.95,18.36) ; C376.2 v4(266.93,24.46) ; C375.2 v4(253.49,24.21) ; C378.2 v4(128.3,18.36)
  BOTTOM w1.016: C92.2 v3(247.29,83.59) ; C381.2 v3(253.37,87.33) ; C184.2 v3(146.63,41.35) ; C91.2 v3(206.68,44.4) ; C383.2 v3(255.19,106.71) ; C277.2 v3(128.07,86.12) ; C377.2 v3(257.18,20.14) ; C278.2 v3(87.39,44.02) ; C371.2 v3(33.17,66.73) ; C373.2 v3(271.75,16.51) ; C185.2 v3(189.23,85.17) ; C374.2 v3(261.59,16.51) ; C370.2 v3(33.2,70.31)
  vias: v4(257.94,13.64) v4(258.24,10.03) v4(258.19,6.12) v4(260.45,13.69) v4(260.48,6.2) v4(260.58,10.13) v4(265.28,12.7) v4(265.23,7.29) v4(265.33,10.36) v4(268.15,7.21) v4(268.3,12.62) v4(268.3,10.08) v4(272.97,13.67) v4(272.92,10.44) v4(273.08,6.05) v4(275.46,13.72) v4(275.44,10.52) v4(275.41,6.05)
